# Altium PCB miniBackplane.PcbDoc (part 15 of 24)
Units mil, origin at the board's own origin, x right, y up, seen from the top; angles counter-clockwise.
Board outline 17285.63 x 8582.68 mil, 6 copper layers (Top Layer, Mid-Layer 1, GND, PWR, Mid-Layer 2, Bottom Layer), stack 62.362 mil thick; 519 components, 474 nets, 2434 pads, 1493 vias.
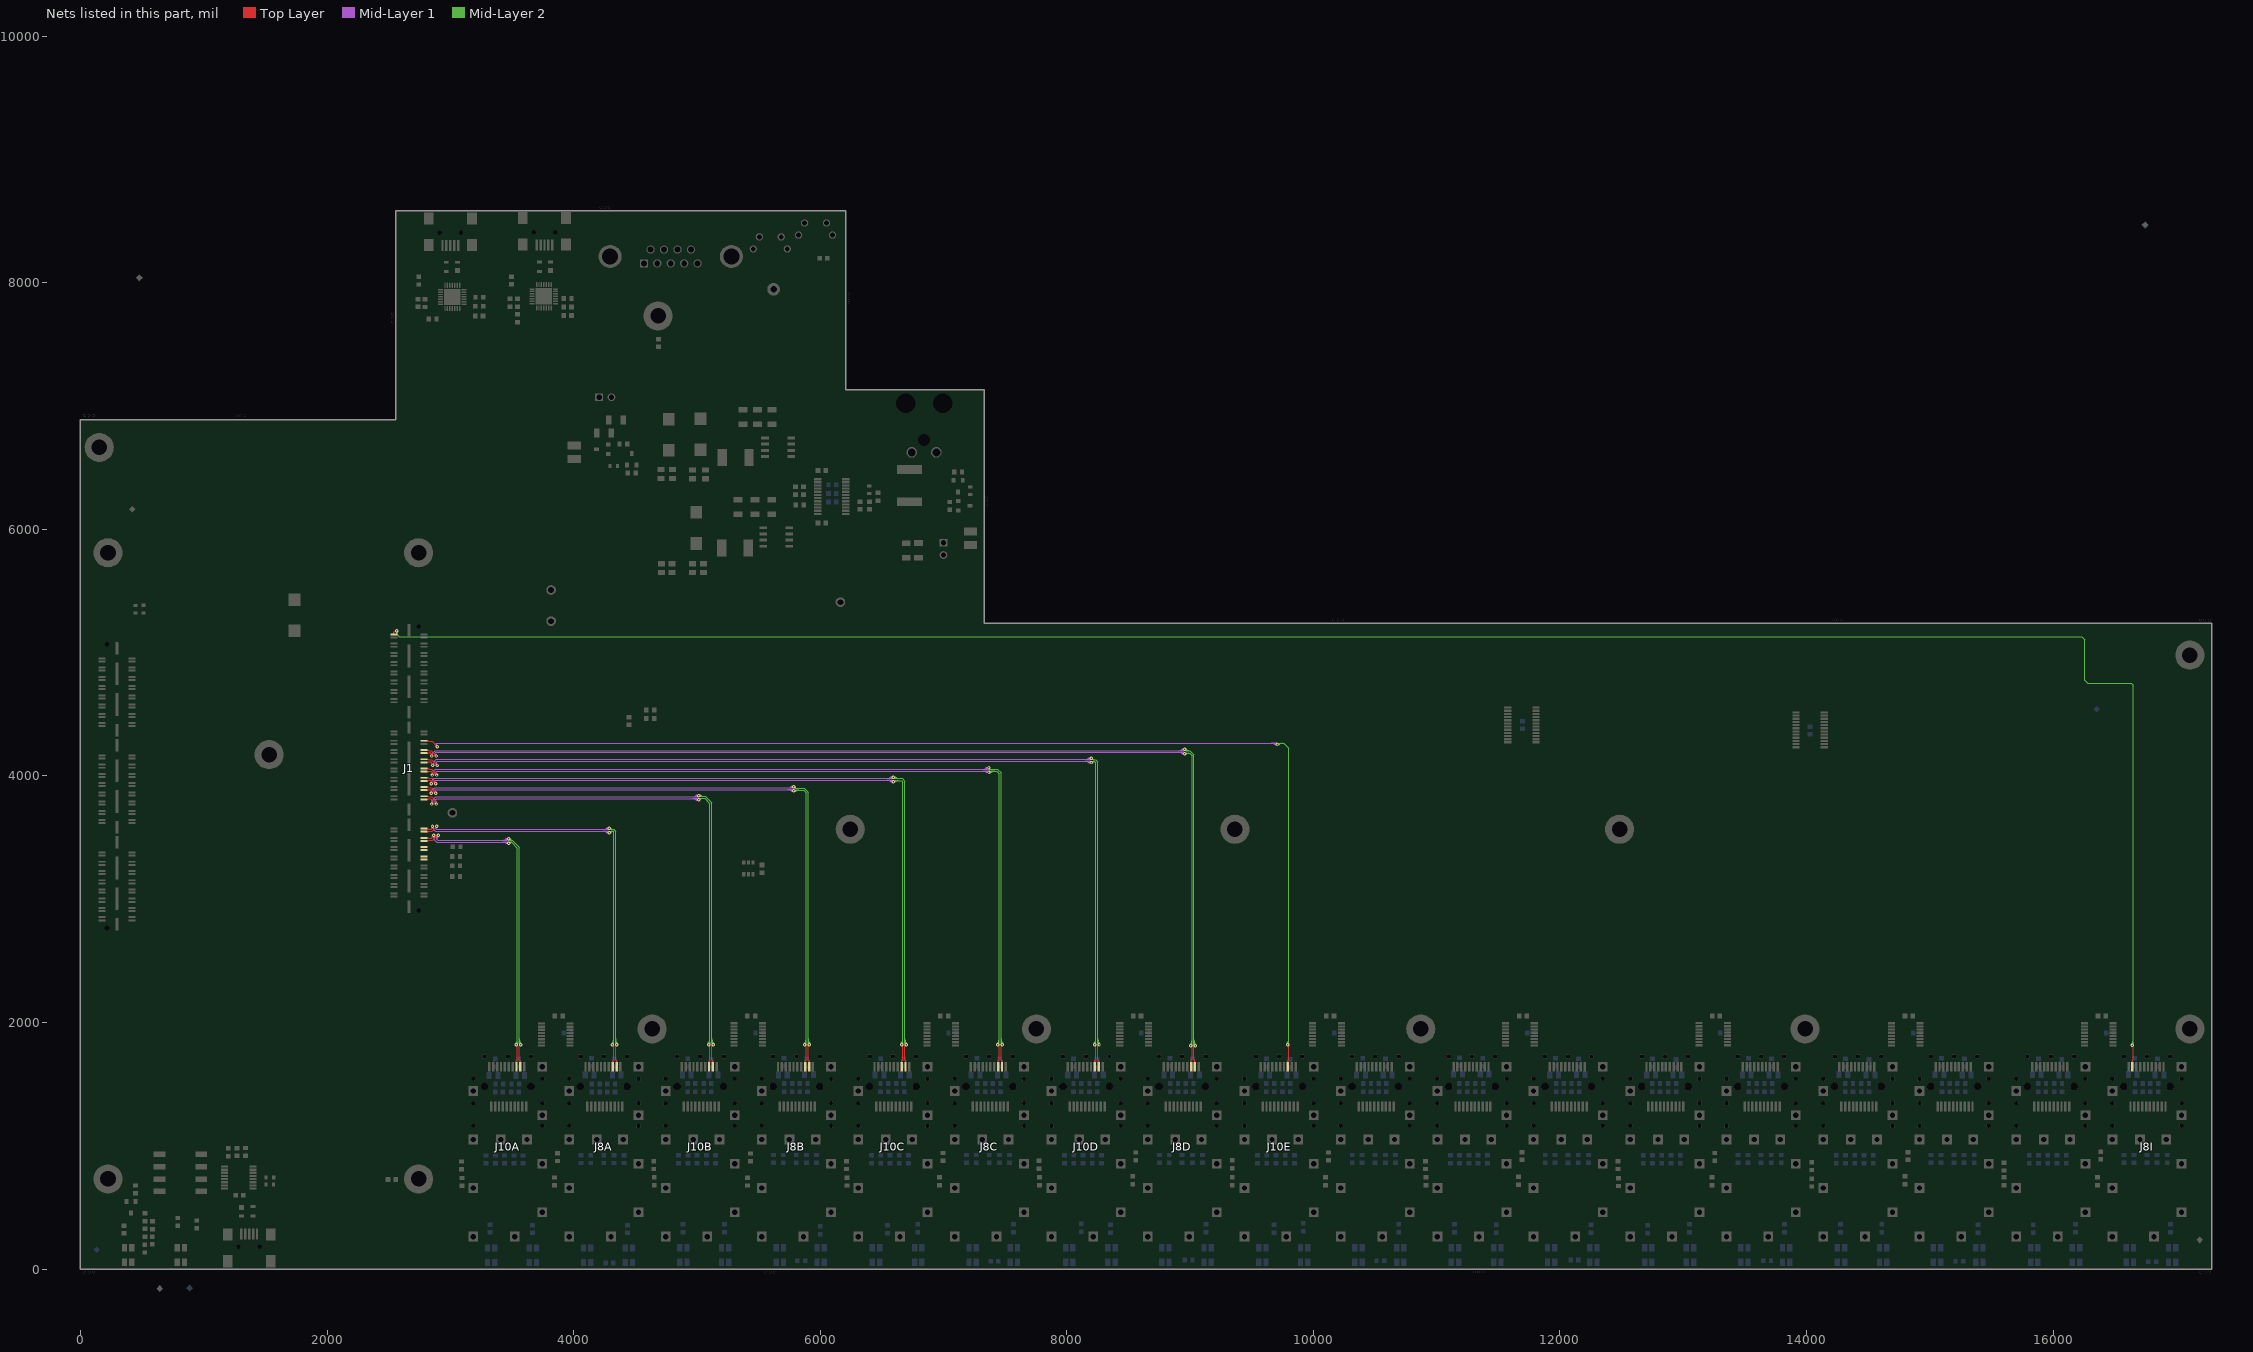
[diagram p19: the nets of this part, all layers, seen from the top]

## Via types
v1: diameter 27.56, hole 11.81, Top Layer to Bottom Layer, tented both sides, 1347 vias
v2: diameter 23.62, hole 11.81, Top Layer to Bottom Layer, tented both sides, 146 vias

## Nets (pads, with @x,y where several pads share a name; then routed paths per layer and width w, separated by ;. In a path a pad name is that pad's centre, name@x,y a point inside that pad or via, vN(x,y) a via of type N, cw(c..) or ccw(c..) an arc to the next point about the centre after c; other vN are vias at no path point) (continued)
MGTRX114_1_P: J1.37 J10E.13 | length 10578.5
  Top Layer w9.84: J1.37@2786.05,4284.99 2820.71,4284.99 2825.33,4280.37 2852,4280.37 2892.72,4239.64 v1(2892.72,4236.22) ; 2880.8,4247.64 ccw(c2898.11,4252.28) v1@2892.4,4235.29 ; v1(9791.42,1820.56) 9801.26,1810.72 ; J10E.13@9793.39,1669.3 9793.39,1690.56 9801.26,1698.43 9801.26,1810.72 ; 9793.39,1682.63 ccw(c9805.27,1682.63) 9796.87,1674.23 cw(c9805.27,1682.63) 9793.39,1682.63 ; 9793.39,1682.63 cw(c9781.5,1682.63) 9789.91,1674.23 ccw(c9781.5,1682.63) 9793.39,1682.63 ; 9801.26,1810.72 ccw(c9796.66,1806.12) 9794.44,1812.23 cw(c9796.66,1806.12) 9801.26,1810.72 ; 9801.26,1810.72 cw(c9805.86,1815.32) 9799.74,1817.54 ccw(c9805.86,1815.32) 9801.26,1810.72 ; 2875.17,4257.19 cw(c2854.21,4236.22) 2883.86,4236.22 ccw(c2854.21,4236.22) 2875.17,4257.19 ; 2883.44,4248.92 ccw(c2892.72,4258.2) 2892.72,4245.08 cw(c2892.72,4258.2) 2883.44,4248.92
  Mid-Layer 1 w7.09: v1(2892.72,4236.22) 2882.87,4246.06 2882.87,4257.27 ; 9677.5,4260.85 ccw(c9686.42,4276.21) v1@9698.66,4263.33 ; 9685.68,4256.1 ccw(c9693.21,4269.06) v1@9703.54,4258.19 ; 9686.53,4263.47 ccw(c9692.56,4273.91) v1@9699.67,4264.17 ; 9689.15,4261.95 cw(c9681.98,4249.55) v1@9695.82,4253.26 ; v1(9705.71,4255.91) 9695.87,4265.75 2891.35,4265.75 2882.87,4257.27 ; 2882.87,4257.27 ccw(c2893.71,4257.27) 2893.2,4246.45 cw(c2893.71,4257.27) 2882.87,4257.27 ; 2882.87,4249.84 ccw(c2893.36,4249.84) 2892.86,4239.37 cw(c2893.36,4249.84) 2882.87,4249.84 ; 9657.23,4265.75 cw(c9657.23,4207.43) 9698.47,4248.67 ccw(c9657.23,4207.43) 9657.23,4265.75 ; 9674.34,4265.75 cw(c9674.34,4224.54) 9703.48,4253.68 ccw(c9674.34,4224.54) 9674.34,4265.75 ; 9691.45,4265.75 cw(c9691.45,4241.65) 9708.49,4258.69 ccw(c9691.45,4241.65) 9691.45,4265.75
  Mid-Layer 2 w7.09: v1(9705.71,4255.91) 9712.6,4262.8 9761.89,4262.8 9801.26,4223.43 9801.26,1830.4 v1(9791.42,1820.56) ; v1@9708.29,4257.71 ccw(c9717.4,4264.05) 9722.94,4254.44 ; v1@9713.82,4262.15 ccw(c9717.83,4265.25) 9720.37,4260.86 ccw(c9725.05,4252.75) v1@9715.81,4254.26 ; v1@9714.11,4261.76 ccw(c9723.75,4268.47) 9729.63,4258.3 ; v1@9788.77,1830.45 ccw(c9785.06,1844.28) 9797.47,1837.12 ; 9791.61,1840.59 ccw(c9804.57,1833.05) v1@9793.7,1822.73 ; 9796.36,1848.77 ccw(c9811.72,1839.84) v1@9798.84,1827.61 ; 9798.98,1839.74 ccw(c9809.42,1833.71) v1@9799.68,1826.6 ; v1@9707.94,4253.68 cw(c9729.95,4231.67) 9729.95,4262.8 ccw(c9729.95,4231.67) v1@9707.94,4253.68 ; v1@9712.95,4248.67 cw(c9747.06,4214.56) 9747.06,4262.8 ccw(c9747.06,4214.56) v1@9712.95,4248.67 ; v1@9784.18,1827.8 ccw(c9742.94,1869.03) 9801.26,1869.03 cw(c9742.94,1869.03) v1@9784.18,1827.8 ; v1@9789.19,1822.79 ccw(c9760.05,1851.92) 9801.26,1851.92 cw(c9760.05,1851.92) v1@9789.19,1822.79 ; v1@9794.2,1817.78 ccw(c9777.16,1834.82) 9801.26,1834.82 cw(c9777.16,1834.82) v1@9794.2,1817.78
MGTRX114_2_N: J1.43 J8D.12 | length 9771.1
  Top Layer w9.84: J1.43@2786.05,4184.99 2820.71,4184.99 2825.33,4189.62 2838.58,4189.62 ; v1(2849.41,4161.42) 2849.41,4178.79 ; v1@9039.8,1811.03 9031.93,1803.16 9031.93,1701.2 9039.88,1693.25 J8D.12@9039.88,1673.24 ; 2838.58,4189.62 cw(c2824.64,4175.67) 2841.73,4165.84 ccw(c2824.64,4175.67) 2838.58,4189.62 ; 2838.58,4189.62 2849.41,4178.79 ; 2849.41,4178.79 ccw(c2862.02,4178.79) 2854.61,4168.59 cw(c2862.02,4178.79) 2849.41,4178.79 ; 2849.41,4178.79 cw(c2836.8,4178.79) 2844.21,4168.59 ccw(c2836.8,4178.79) 2849.41,4178.79 ; 9039.88,1682.63 ccw(c9051.76,1682.63) 9043.36,1674.23 cw(c9051.76,1682.63) 9039.88,1682.63 ; 9039.88,1682.63 cw(c9028,1682.63) 9036.4,1674.23 ccw(c9028,1682.63) 9039.88,1682.63 ; 2847.67,4180.53 cw(c2836.17,4169.04) 2850.26,4160.93 ccw(c2836.17,4169.04) 2847.67,4180.53
  Mid-Layer 1 w7.09: v1(2849.41,4161.42) 2859.25,4171.26 2859.25,4188.61 ; 8930.45,4210.65 cw(c8939.38,4195.29) v1@8951.61,4208.17 ; 8938.63,4215.4 cw(c8946.17,4202.43) v1@8956.49,4213.31 ; 8939.48,4208.03 cw(c8945.51,4197.59) v1@8952.62,4207.33 ; 8942.1,4209.54 ccw(c8934.94,4221.95) v1@8948.77,4218.24 ; v1(8958.66,4215.59) 8948.82,4205.75 2876.39,4205.75 2859.25,4188.61 ; 2859.25,4188.61 cw(c2841.04,4188.61) 2846.4,4171.2 ccw(c2841.04,4188.61) 2859.25,4188.61 ; v1@2848.48,4164.43 ccw(c2843.99,4179.01) 2859.25,4179.01 cw(c2843.99,4179.01) v1@2848.48,4164.43 ; 8910.19,4205.75 ccw(c8910.19,4264.07) 8951.42,4222.83 cw(c8910.19,4264.07) 8910.19,4205.75 ; 8927.3,4205.75 ccw(c8927.3,4246.96) 8956.43,4217.82 cw(c8927.3,4246.96) 8927.3,4205.75 ; 8944.4,4205.75 ccw(c8944.4,4229.85) 8961.45,4212.81 cw(c8944.4,4229.85) 8944.4,4205.75
  Mid-Layer 2 w7.09: v1(8958.66,4215.59) 8968.5,4205.75 8996.64,4205.75 ; v1@9033.51,1817.07 ccw(c9023.77,1824.18) 9034.21,1830.21 ; v1@9034.35,1818.08 ccw(c9021.47,1830.32) 9036.83,1839.24 ; 9035.72,1827.59 ccw(c9048.13,1834.76) v1@9044.42,1820.92 ; v1@9039.49,1813.2 ccw(c9028.61,1823.53) 9041.58,1831.06 ; v1(9041.77,1811.03) 9031.93,1820.87 9031.93,4170.46 8996.64,4205.75 ; 8996.64,4205.75 cw(c8996.64,4241.47) 8967.12,4221.35 ccw(c8996.64,4241.47) 8996.64,4205.75 ; v1@8955.41,4213.37 ccw(c8969.83,4223.2) 8969.83,4205.75 cw(c8969.83,4223.2) v1@8955.41,4213.37 ; v1@8961.26,4217.36 ccw(c8983.24,4232.34) 8983.24,4205.75 cw(c8983.24,4232.34) v1@8961.26,4217.36 ; 9031.93,1825.29 ccw(c9056.03,1825.29) 9038.99,1808.25 cw(c9056.03,1825.29) 9031.93,1825.29 ; 9031.93,1842.4 ccw(c9073.14,1842.4) 9044,1813.26 cw(c9073.14,1842.4) 9031.93,1842.4 ; 9031.93,1859.51 ccw(c9090.25,1859.51) 9049.01,1818.27 cw(c9090.25,1859.51) 9031.93,1859.51
MGTRX114_2_P: J1.41 J8D.13 | length 9619.4
  Top Layer w9.84: J1.41@2786.05,4209.99 2820.71,4209.99 2825.33,4205.37 2845.11,4205.37 2884.84,4165.63 v1(2884.84,4161.42) ; 2872.81,4173.25 ccw(c2890.91,4178.1) v1@2884.51,4160.49 ; 9008.28,1696.86 9016.18,1704.76 9016.18,1803.16 v1@9008.31,1811.03 ; J8D.13@9008.39,1673.24 9008.39,1696.76 ; 9008.39,1682.63 ccw(c9020.27,1682.63) 9011.87,1674.23 cw(c9020.27,1682.63) 9008.39,1682.63 ; 9008.39,1682.63 cw(c8996.5,1682.63) 9004.91,1674.23 ccw(c8996.5,1682.63) 9008.39,1682.63 ; 2866.74,4183.73 cw(c2844.43,4161.42) 2875.98,4161.42 ccw(c2844.43,4161.42) 2866.74,4183.73 ; 2876.91,4173.56 ccw(c2884.84,4181.49) 2884.84,4170.28 cw(c2884.84,4181.49) 2876.91,4173.56
  Mid-Layer 1 w7.09: v1(2884.84,4161.42) 2875,4171.26 2875,4182.09 ; 8930.45,4185.1 ccw(c8939.38,4200.46) v1@8951.61,4187.58 ; 8938.63,4180.35 ccw(c8946.17,4193.31) v1@8956.49,4182.44 ; 8939.48,4187.72 ccw(c8945.51,4198.16) v1@8952.62,4188.42 ; 8942.1,4186.21 cw(c8934.94,4173.8) v1@8948.77,4177.51 ; v1(8958.66,4180.16) 8948.82,4190 2882.91,4190 2875,4182.09 ; 2875,4182.09 ccw(c2885.44,4182.09) 2885.14,4171.65 cw(c2885.44,4182.09) 2875,4182.09 ; 2875,4174.79 ccw(c2885.23,4174.79) 2884.93,4164.57 cw(c2885.23,4174.79) 2875,4174.79 ; 8910.19,4190 cw(c8910.19,4131.68) 8951.42,4172.92 ccw(c8910.19,4131.68) 8910.19,4190 ; 8927.3,4190 cw(c8927.3,4148.79) 8956.43,4177.93 ccw(c8927.3,4148.79) 8927.3,4190 ; 8944.4,4190 cw(c8944.4,4165.9) 8961.45,4182.94 ccw(c8944.4,4165.9) 8944.4,4190
  Mid-Layer 2 w7.09: v1(8958.66,4180.16) 8961.58,4183.07 8997.05,4183.07 9016.18,4163.94 9016.18,1820.87 v1(9006.34,1811.03) ; v1@9003.69,1820.92 ccw(c8999.98,1834.76) 9012.39,1827.59 ; 9006.53,1831.06 ccw(c9019.5,1823.53) v1@9008.62,1813.2 ; 9011.28,1839.24 ccw(c9026.64,1830.32) v1@9013.76,1818.08 ; 9013.9,1830.21 ccw(c9024.34,1824.18) v1@9014.6,1817.07 ; v1@8960.89,4177.93 cw(c8973.3,4165.52) 8973.3,4183.07 ccw(c8973.3,4165.52) v1@8960.89,4177.93 ; v1@8965.9,4172.92 cw(c8990.41,4148.41) 8990.41,4183.07 ccw(c8990.41,4148.41) v1@8965.9,4172.92 ; v1@8965.9,4187.4 ccw(c8976.34,4197.84) 8976.34,4183.07 cw(c8976.34,4197.84) v1@8965.9,4187.4 ; v1@8999.1,1818.27 ccw(c8957.86,1859.51) 9016.18,1859.51 cw(c8957.86,1859.51) v1@8999.1,1818.27 ; v1@9004.11,1813.26 ccw(c8974.97,1842.4) 9016.18,1842.4 cw(c8974.97,1842.4) v1@9004.11,1813.26 ; v1@9009.12,1808.25 ccw(c8992.08,1825.29) 9016.18,1825.29 cw(c8992.08,1825.29) v1@9009.12,1808.25
MGTRX114_3_N: J1.47 J10D.12 | length 8795
  Top Layer w9.84: J1.47@2786.05,4109.99 2820.71,4109.99 2825.33,4114.62 2839.57,4114.62 ; 2847.47,4101.03 ccw(c2873.84,4105.99) v1@2858.7,4083.83 ; v1(2859.25,4084.65) 2859.25,4094.93 2839.57,4114.62 ; J10D.12@8259.88,1669.3 8259.88,1690.56 8252.01,1698.43 8252.01,1810.72 ; v1(8261.85,1820.56) 8252.01,1810.72 ; 2839.57,4114.62 cw(c2813.11,4088.16) 2850.42,4085.32 ccw(c2813.11,4088.16) 2839.57,4114.62 ; 8252.01,1810.72 ccw(c8247.41,1815.32) 8253.52,1817.54 cw(c8247.41,1815.32) 8252.01,1810.72 ; 8252.01,1810.72 cw(c8256.61,1806.12) 8258.83,1812.23 ccw(c8256.61,1806.12) 8252.01,1810.72 ; 8259.88,1682.63 ccw(c8271.76,1682.63) 8263.36,1674.23 cw(c8271.76,1682.63) 8259.88,1682.63 ; 8259.88,1682.63 cw(c8248,1682.63) 8256.4,1674.23 ccw(c8248,1682.63) 8259.88,1682.63 ; 2854.72,4099.47 cw(c2841.26,4086.02) 2860.23,4084.57 ccw(c2841.26,4086.02) 2854.72,4099.47
  Mid-Layer 1 w7.09: v1(2859.25,4084.65) 2869.09,4094.49 2869.09,4115.78 2887.18,4133.86 8188.98,4133.86 8197.83,4142.72 v1(8197.83,4143.7) ; 8169.63,4138.76 cw(c8178.55,4123.4) v1@8190.79,4136.28 ; 8177.81,4143.51 cw(c8185.34,4130.54) v1@8195.67,4141.42 ; 8178.66,4136.14 cw(c8184.68,4125.7) v1@8191.8,4135.44 ; 8181.27,4137.65 ccw(c8174.11,4150.06) v1@8187.95,4146.35 ; v1@2855.03,4093.97 ccw(c2845.16,4115.77) 2869.09,4115.77 cw(c2845.16,4115.77) v1@2855.03,4093.97 ; v1@2857.95,4087.52 ccw(c2850.14,4104.79) 2869.09,4104.79 cw(c2850.14,4104.79) v1@2857.95,4087.52 ; 8149.36,4133.86 ccw(c8149.36,4192.18) 8190.6,4150.94 cw(c8149.36,4192.18) 8149.36,4133.86 ; 8166.47,4133.86 ccw(c8166.47,4175.07) 8195.61,4145.93 cw(c8166.47,4175.07) 8166.47,4133.86 ; 8183.58,4133.86 ccw(c8183.58,4157.96) 8200.62,4140.92 cw(c8183.58,4157.96) 8183.58,4133.86
  Mid-Layer 2 w7.09: v1@8197.83,4133.86 8214.57,4133.86 8216.54,4131.89 8234.91,4131.89 8252.01,4114.79 8252.01,1830.4 v1(8261.85,1820.56) ; v1@8253.58,1826.6 ccw(c8243.85,1833.71) 8254.29,1839.74 ; v1@8254.43,1827.61 ccw(c8241.55,1839.84) 8256.91,1848.77 ; 8255.8,1837.12 ccw(c8268.21,1844.28) v1@8264.5,1830.45 ; v1@8259.57,1822.73 ccw(c8248.69,1833.05) 8261.66,1840.59 ; 8252.01,1834.82 ccw(c8276.11,1834.82) 8259.07,1817.78 cw(c8276.11,1834.82) 8252.01,1834.82 ; 8252.01,1851.92 ccw(c8293.22,1851.92) 8264.08,1822.79 cw(c8293.22,1851.92) 8252.01,1851.92 ; 8252.01,1869.03 ccw(c8310.33,1869.03) 8269.09,1827.8 cw(c8310.33,1869.03) 8252.01,1869.03
MGTRX114_3_P: J1.45 J10D.13 | length 8832.6
  Top Layer w9.84: J1.45@2786.05,4134.99 2820.71,4134.99 2825.33,4130.37 2849.72,4130.37 2894.69,4085.4 v1(2894.69,4084.65) ; 2883.14,4094.67 ccw(c2897.98,4098.64) v1@2894.46,4083.69 ; 2885.46,4095.98 cw(c2881.83,4082.42) v1@2895.66,4084.81 ; v1(8226.42,1820.56) 8236.26,1810.72 ; J10D.13@8228.39,1669.3 8228.39,1690.56 8236.26,1698.43 8236.26,1810.72 ; 8228.39,1682.63 ccw(c8240.27,1682.63) 8231.87,1674.23 cw(c8240.27,1682.63) 8228.39,1682.63 ; 8228.39,1682.63 cw(c8216.5,1682.63) 8224.91,1674.23 ccw(c8216.5,1682.63) 8228.39,1682.63 ; 8236.26,1810.72 ccw(c8231.66,1806.12) 8229.44,1812.23 cw(c8231.66,1806.12) 8236.26,1810.72 ; 8236.26,1810.72 cw(c8240.86,1815.32) 8234.74,1817.54 ccw(c8240.86,1815.32) 8236.26,1810.72 ; 2879.03,4101.06 cw(c2862.61,4084.65) 2885.83,4084.65 ccw(c2862.61,4084.65) 2879.03,4101.06 ; 2880.86,4099.23 ccw(c2894.69,4113.06) 2894.69,4093.5 cw(c2894.69,4113.06) 2880.86,4099.23
  Mid-Layer 1 w7.09: v1(2894.69,4084.65) 2884.84,4094.49 2884.84,4109.25 ; 8169.63,4113.21 ccw(c8178.55,4128.57) v1@8190.79,4115.69 ; 8177.81,4108.46 ccw(c8185.34,4121.42) v1@8195.67,4110.55 ; 8178.66,4115.83 ccw(c8184.68,4126.27) v1@8191.8,4116.53 ; 8181.27,4114.32 cw(c8174.11,4101.91) v1@8187.95,4105.62 ; v1(8197.83,4108.27) 8197.83,4109.25 8188.98,4118.11 2893.7,4118.11 2884.84,4109.25 ; 2884.84,4109.25 ccw(c2899.72,4109.25) 2896.74,4094.67 cw(c2899.72,4109.25) 2884.84,4109.25 ; 2884.84,4100.57 ccw(c2897.94,4100.57) 2895.32,4087.73 cw(c2897.94,4100.57) 2884.84,4100.57 ; 8149.36,4118.11 cw(c8149.36,4059.79) 8190.6,4101.03 ccw(c8149.36,4059.79) 8149.36,4118.11 ; 8166.47,4118.11 cw(c8166.47,4076.9) 8195.61,4106.04 ccw(c8166.47,4076.9) 8166.47,4118.11 ; 8183.58,4118.11 cw(c8183.58,4094.01) 8200.62,4111.05 ccw(c8183.58,4094.01) 8183.58,4118.11
  Mid-Layer 2 w7.09: v1(8197.83,4108.27) 8205.71,4116.14 8228.39,4116.14 ; v1@8223.77,1830.45 ccw(c8220.06,1844.28) 8232.47,1837.12 ; v1(8226.42,1820.56) 8236.26,1830.4 8236.26,4108.27 8228.39,4116.14 ; 8226.61,1840.59 ccw(c8239.57,1833.05) v1@8228.7,1822.73 ; 8231.36,1848.77 ccw(c8246.72,1839.84) v1@8233.84,1827.61 ; 8233.98,1839.74 ccw(c8244.42,1833.71) v1@8234.68,1826.6 ; 8228.38,4116.14 ccw(c8228.38,4091.56) 8206.82,4103.36 cw(c8228.38,4091.56) 8228.38,4116.14 ; v1@8200.6,4106.76 cw(c8216.43,4098.1) 8216.43,4116.14 ccw(c8216.43,4098.1) v1@8200.6,4106.76 ; v1@8219.18,1827.8 ccw(c8177.94,1869.03) 8236.26,1869.03 cw(c8177.94,1869.03) v1@8219.18,1827.8 ; v1@8224.19,1822.79 ccw(c8195.05,1851.92) 8236.26,1851.92 cw(c8195.05,1851.92) v1@8224.19,1822.79 ; v1@8229.2,1817.78 ccw(c8212.16,1834.82) 8236.26,1834.82 cw(c8212.16,1834.82) v1@8229.2,1817.78
MGTRX115_0_N: J1.51 J8C.12 | length 7926.9
  Top Layer w9.84: J1.51@2786.05,4034.99 2820.71,4034.99 2825.33,4039.62 2844.49,4039.62 2853.35,4030.76 v1(2853.35,4006.89) ; J8C.12@7474.88,1669.3 7474.88,1690.56 7467.01,1698.43 7467.01,1810.72 ; v1(7476.85,1820.56) 7467.01,1810.72 ; 2853.35,4028.28 ccw(c2874.73,4028.28) 2859.61,4013.15 cw(c2874.73,4028.28) 2853.35,4028.28 ; 2853.35,4028.28 cw(c2831.96,4028.28) 2847.08,4013.15 ccw(c2831.96,4028.28) 2853.35,4028.28 ; 7467.01,1810.72 ccw(c7462.41,1815.32) 7468.52,1817.54 cw(c7462.41,1815.32) 7467.01,1810.72 ; 7467.01,1810.72 cw(c7471.61,1806.12) 7473.83,1812.23 ccw(c7471.61,1806.12) 7467.01,1810.72 ; 7474.88,1682.63 ccw(c7486.76,1682.63) 7478.36,1674.23 cw(c7486.76,1682.63) 7474.88,1682.63 ; 7474.88,1682.63 cw(c7463,1682.63) 7471.4,1674.23 ccw(c7463,1682.63) 7474.88,1682.63
  Mid-Layer 1 w7.09: v1(2853.35,4006.89) 2863.19,4016.73 2863.19,4039.99 ; 7340.89,4060.02 cw(c7349.81,4044.66) v1@7362.05,4057.54 ; 7349.07,4064.77 cw(c7356.6,4051.8) v1@7366.93,4062.68 ; 7349.92,4057.4 cw(c7355.94,4046.96) v1@7363.06,4056.7 ; 7352.53,4058.91 ccw(c7345.37,4071.32) v1@7359.21,4067.61 ; v1(7369.09,4064.96) 7359.25,4055.12 2878.32,4055.12 2863.19,4039.99 ; 2863.19,4039.99 cw(c2836.11,4039.99) 2848.62,4015.97 ccw(c2836.11,4039.99) 2863.19,4039.99 ; v1@2851.89,4009.68 ccw(c2842.19,4028.31) 2863.19,4028.31 cw(c2842.19,4028.31) v1@2851.89,4009.68 ; v1@2855.17,4003.4 ccw(c2848.28,4016.62) 2863.19,4016.62 cw(c2848.28,4016.62) v1@2855.17,4003.4 ; 7320.62,4055.12 ccw(c7320.62,4113.44) 7361.86,4072.2 cw(c7320.62,4113.44) 7320.62,4055.12 ; 7337.73,4055.12 ccw(c7337.73,4096.33) 7366.87,4067.19 cw(c7337.73,4096.33) 7337.73,4055.12 ; 7354.84,4055.12 ccw(c7354.84,4079.22) 7371.88,4062.18 cw(c7354.84,4079.22) 7354.84,4055.12
  Mid-Layer 2 w7.09: v1@7369.09,4055.12 7388.78,4055.12 7389.76,4054.13 7437.63,4054.13 7467.01,4024.75 7467.01,1830.4 ; v1@7467.01,1825.4 7467.01,1830.4 ; v1@7468.58,1826.6 ccw(c7458.85,1833.71) 7469.29,1839.74 ; v1@7469.43,1827.61 ccw(c7456.55,1839.84) 7471.91,1848.77 ; 7470.8,1837.12 ccw(c7483.21,1844.28) v1@7479.5,1830.45 ; v1@7474.57,1822.73 ccw(c7463.69,1833.05) 7476.66,1840.59 ; v1(7476.85,1820.56) 7467.01,1830.4 ; 7467.01,1834.82 ccw(c7491.11,1834.82) 7474.07,1817.78 cw(c7491.11,1834.82) 7467.01,1834.82 ; 7467.01,1851.92 ccw(c7508.22,1851.92) 7479.08,1822.79 cw(c7508.22,1851.92) 7467.01,1851.92 ; 7467.01,1869.03 ccw(c7525.33,1869.03) 7484.09,1827.8 cw(c7525.33,1869.03) 7467.01,1869.03
MGTRX115_0_P: J1.49 J8C.13 | length 8163.8
  Top Layer w9.84: J1.49@2786.05,4059.99 2820.71,4059.99 2825.33,4055.37 2851.01,4055.37 2888.78,4017.6 v1(2888.78,4006.89) ; 2875.84,4022.13 ccw(c2901.28,4028.95) v1@2888.29,4006.03 ; v1(7441.42,1820.56) 7451.26,1810.72 ; J8C.13@7443.39,1669.3 7443.39,1690.56 7451.26,1698.43 7451.26,1810.72 ; 7443.39,1682.63 ccw(c7455.27,1682.63) 7446.87,1674.23 cw(c7455.27,1682.63) 7443.39,1682.63 ; 7443.39,1682.63 cw(c7431.5,1682.63) 7439.91,1674.23 ccw(c7431.5,1682.63) 7443.39,1682.63 ; 7451.26,1810.72 ccw(c7446.66,1806.12) 7444.44,1812.23 cw(c7446.66,1806.12) 7451.26,1810.72 ; 7451.26,1810.72 cw(c7455.86,1815.32) 7449.74,1817.54 ccw(c7455.86,1815.32) 7451.26,1810.72 ; 2866.09,4040.29 cw(c2832.68,4006.89) 2879.92,4006.89 ccw(c2832.68,4006.89) 2866.09,4040.29 ; 2882.89,4023.49 cw(c2866.29,4006.89) 2889.76,4006.89 ccw(c2866.29,4006.89) 2882.89,4023.49
  Mid-Layer 1 w7.09: v1(2888.78,4006.89) 2878.94,4016.73 2878.94,4033.46 ; 7340.89,4034.47 ccw(c7349.81,4049.83) v1@7362.05,4036.95 ; 7349.07,4029.72 ccw(c7356.6,4042.68) v1@7366.93,4031.81 ; 7349.92,4037.09 ccw(c7355.94,4047.53) v1@7363.06,4037.79 ; 7352.53,4035.58 cw(c7345.37,4023.17) v1@7359.21,4026.88 ; v1(7369.09,4029.53) 7359.25,4039.37 2884.84,4039.37 2878.94,4033.46 ; 2878.94,4033.46 ccw(c2896.33,4033.46) 2891.58,4016.74 cw(c2896.33,4033.46) 2878.94,4033.46 ; 2878.94,4024.08 ccw(c2893.66,4024.08) 2889.64,4009.92 cw(c2893.66,4024.08) 2878.94,4024.08 ; 7320.62,4039.37 cw(c7320.62,3981.05) 7361.86,4022.29 ccw(c7320.62,3981.05) 7320.62,4039.37 ; 7337.73,4039.37 cw(c7337.73,3998.16) 7366.87,4027.3 ccw(c7337.73,3998.16) 7337.73,4039.37 ; 7354.84,4039.37 cw(c7354.84,4015.27) 7371.88,4032.31 ccw(c7354.84,4015.27) 7354.84,4039.37
  Mid-Layer 2 w7.09: v1(7369.09,4029.53) 7377.95,4038.39 7431.1,4038.39 7451.26,4018.23 7451.26,1830.4 ; v1@7371.39,4031.68 ccw(c7381.41,4041.09) 7388.28,4029.19 ; v1@7375.8,4037.26 ccw(c7382.02,4044.44) 7386.77,4036.22 ; v1@7376.56,4036.53 ccw(c7388.1,4047.38) 7396.02,4033.66 ; v1@7378.98,4026.88 cw(c7392.82,4023.17) 7385.66,4035.58 ; v1@7438.77,1830.45 ccw(c7435.06,1844.28) 7447.47,1837.12 ; v1(7441.42,1820.56) 7451.26,1830.4 ; 7441.61,1840.59 ccw(c7454.57,1833.05) v1@7443.7,1822.73 ; 7446.36,1848.77 ccw(c7461.72,1839.84) v1@7448.84,1827.61 ; 7448.98,1839.74 ccw(c7459.42,1833.71) v1@7449.68,1826.6 ; v1@7451.26,1825.4 7451.26,1830.4 ; v1@7366.31,4032.31 cw(c7380.98,4017.65) 7380.98,4038.39 ccw(c7380.98,4017.65) v1@7366.31,4032.31 ; v1@7371.32,4027.3 cw(c7398.08,4000.54) 7398.08,4038.39 ccw(c7398.08,4000.54) v1@7371.32,4027.3 ; v1@7376.33,4022.29 cw(c7415.19,3983.43) 7415.19,4038.39 ccw(c7415.19,3983.43) v1@7376.33,4022.29 ; v1@7434.18,1827.8 ccw(c7392.94,1869.03) 7451.26,1869.03 cw(c7392.94,1869.03) v1@7434.18,1827.8 ; v1@7439.19,1822.79 ccw(c7410.05,1851.92) 7451.26,1851.92 cw(c7410.05,1851.92) v1@7439.19,1822.79 ; v1@7444.2,1817.78 ccw(c7427.16,1834.82) 7451.26,1834.82 cw(c7427.16,1834.82) v1@7444.2,1817.78
MGTRX115_1_N: J1.55 J10C.12 | length 7258.1
  Top Layer w9.84: J1.55@2786.05,3959.99 2820.71,3959.99 2825.33,3964.62 2836.56,3964.62 2845.47,3955.71 ; v1(2845.47,3936.02) 2845.47,3955.71 ; J10C.12@6694.88,1669.3 6694.88,1690.56 6687.01,1698.43 6687.01,1810.72 ; v1(6696.85,1820.56) 6687.01,1810.72 ; 2845.47,3955.71 ccw(c2862.91,3955.71) 2851.35,3942.65 cw(c2862.91,3955.71) 2845.47,3955.71 ; 2845.47,3955.71 cw(c2828.03,3955.71) 2839.6,3942.65 ccw(c2828.03,3955.71) 2845.47,3955.71 ; 6687.01,1810.72 ccw(c6682.41,1815.32) 6688.52,1817.54 cw(c6682.41,1815.32) 6687.01,1810.72 ; 6687.01,1810.72 cw(c6691.61,1806.12) 6693.83,1812.23 ccw(c6691.61,1806.12) 6687.01,1810.72 ; J10C.12@6688.9,1674.23 ccw(c6674.47,1688.66) 6694.88,1688.66 cw(c6674.47,1688.66) J10C.12@6688.9,1674.23
  Mid-Layer 1 w7.09: v1(2845.47,3936.02) 2855.32,3945.87 2855.32,3963.59 ; 6564.31,3984.23 cw(c6573.24,3968.87) v1@6585.47,3981.75 ; 6572.49,3988.98 cw(c6580.02,3976.02) v1@6590.35,3986.89 ; 6573.34,3981.61 cw(c6579.37,3971.17) v1@6586.48,3980.91 ; 6575.96,3983.12 ccw(c6568.8,3995.53) v1@6582.63,3991.82 ; v1(6592.52,3989.17) 6582.68,3979.33 2871.05,3979.33 2855.32,3963.59 ; 2855.32,3963.59 cw(c2836.58,3963.59) 2842.33,3945.77 ccw(c2836.58,3963.59) 2855.32,3963.59 ; v1@2844.51,3939.02 ccw(c2839.72,3953.86) 2855.32,3953.86 cw(c2839.72,3953.86) v1@2844.51,3939.02 ; 6544.05,3979.33 ccw(c6544.05,4037.65) 6585.28,3996.41 cw(c6544.05,4037.65) 6544.05,3979.33 ; 6561.15,3979.33 ccw(c6561.15,4020.54) 6590.29,3991.4 cw(c6561.15,4020.54) 6561.15,3979.33 ; 6578.26,3979.33 ccw(c6578.26,4003.43) 6595.3,3986.39 cw(c6578.26,4003.43) 6578.26,3979.33
  Mid-Layer 2 w7.09: v1@6592.52,3979.33 6664,3979.33 6687.01,3956.33 6687.01,1830.4 v1(6696.85,1820.56) ; v1@6594.69,3986.89 cw(c6605.02,3976.02) 6612.55,3988.98 ; v1@6598.56,3980.91 cw(c6605.67,3971.17) 6611.7,3981.61 ; v1@6599.57,3981.75 cw(c6611.8,3968.87) 6620.73,3984.23 ; v1@6602.41,3991.82 ccw(c6616.24,3995.53) 6609.08,3983.12 ; v1@6688.58,1826.6 ccw(c6678.85,1833.71) 6689.29,1839.74 ; v1@6689.43,1827.61 ccw(c6676.55,1839.84) 6691.91,1848.77 ; 6690.8,1837.12 ccw(c6703.21,1844.28) v1@6699.5,1830.45 ; v1@6694.57,1822.73 ccw(c6683.69,1833.05) 6696.66,1840.59 ; v1@6589.74,3986.39 ccw(c6606.78,4003.43) 6606.78,3979.33 cw(c6606.78,4003.43) v1@6589.74,3986.39 ; v1@6594.75,3991.4 ccw(c6623.89,4020.54) 6623.89,3979.33 cw(c6623.89,4020.54) v1@6594.75,3991.4 ; v1@6599.76,3996.41 ccw(c6640.99,4037.65) 6640.99,3979.33 cw(c6640.99,4037.65) v1@6599.76,3996.41 ; 6687.01,1834.82 ccw(c6711.11,1834.82) 6694.07,1817.78 cw(c6711.11,1834.82) 6687.01,1834.82 ; 6687.01,1851.92 ccw(c6728.22,1851.92) 6699.08,1822.79 cw(c6728.22,1851.92) 6687.01,1851.92 ; 6687.01,1869.03 ccw(c6745.32,1869.03) 6704.09,1827.8 cw(c6745.32,1869.03) 6687.01,1869.03